# KiCad board Battman.kicad_pcb (continued)
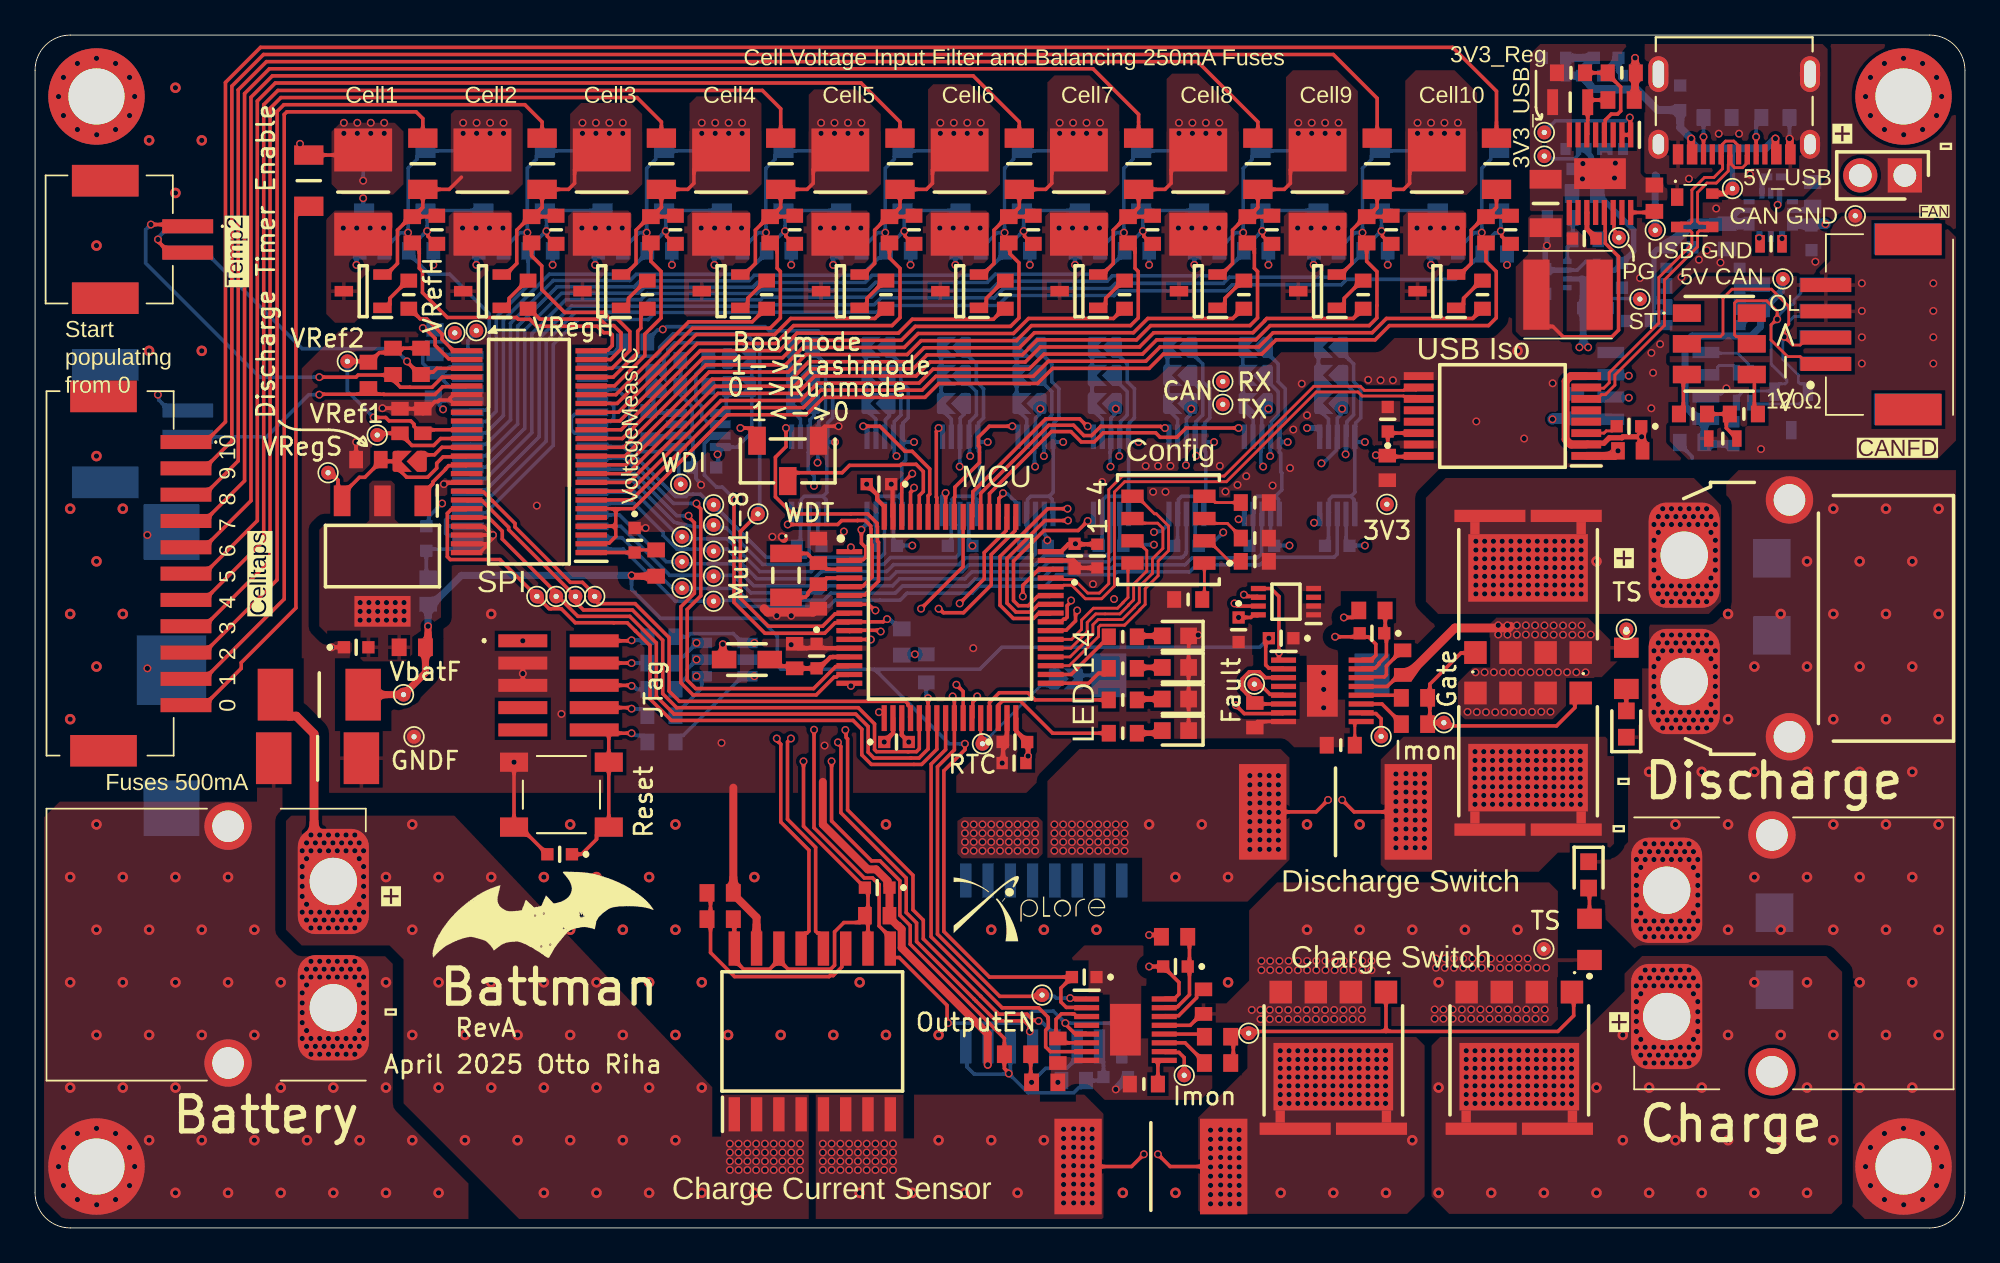
[diagram p0: board, top side]
## Footprints (pads in the part's own frame, mm; a bottom-side part is the same pattern mirrored in y, then rotated)
2184LPSTJ
  rect 0.76x1.27 smd: A1(-1.905,-2.05) A2(-0.635,-2.05) A3(0.635,-2.05) A4(1.905,-2.05) B1(1.905,2.05) B2(0.635,2.05) B3(-0.635,2.05) B4(-1.905,2.05)
3000TR
  rect 3.18x3.18 smd: 1(-7.87,0.724) 2(7.87,0.724)
  rect 3.96x3.96 smd: 3(0,0.724)
5025850270
  rect 0.8x2.9 smd: 1(-0.75,3.325) 2(0.75,3.325)
  rect 1.8x3.8 smd: M1(-3.35,-1.375) M2(3.35,-1.375)
5025850470
  rect 0.8x2.9 smd: 1(-2.25,3.625) 2(-0.75,3.625) 3(0.75,3.625) 4(2.25,3.625)
  rect 1.8x3.8 smd: MP1(-4.85,-1.075) MP2(4.85,-1.075)
5025851170
  rect 0.8x2.9 smd: 1(-6.75,3.1) 2(-5.25,3.1) 3(-3.75,3.1) 4(-2.25,3.1) 5(-0.75,3.1) 6(0.75,3.1) 7(2.25,3.1) 8(3.75,3.1) 9(5.25,3.1) 10(6.75,3.1) 11(8.25,3.1)
  rect 1.8x3.8 smd: MP1(-9.35,-1.6) MP2(10.85,-1.6)
ACE1V2012121R
  rect 0.9x0.4 smd: 1(-0.85,0.4) 2(-0.85,-0.4) 3(0.85,-0.4) 4(0.85,0.4)
AMPHENOL_10171746-00021LF
  rect 0.6x1.15 smd: A1_B12(-3.2,4.575) A4_B9(-2.4,4.575) B1_A12(3.2,4.575) B4_A9(2.4,4.575)
  rect 0.3x1.15 smd: A5(-1.25,4.575) A6(-0.25,4.575) A7(0.25,4.575) A8(1.25,4.575) B5(1.75,4.575) B6(0.75,4.575) B7(-0.75,4.575) B8(-1.75,4.575)
  oval 1.15x1.65 hole 0.65x1.15: SH1(-4.32,4) SH2(4.32,4)
  oval 1.15x2.05 hole 0.65x1.55: SH3(-4.32,0) SH4(4.32,0)
CAPC1608X80N
  rect 0.54x0.94 smd: 1(-0.8,0) 2(0.8,0)
CAPC1608X90N
  rect 0.78x0.99 smd: 1(-0.7,0) 2(0.7,0)
CAPC1608X105N
  rect 0.83x1.07 smd: 1(-0.72,0) 2(0.72,0)
CAPC2012X145N
  rect 0.62x1.47 smd: 1(-1,0) 2(1,0)
CAPC3216X180N
  rect 1.07x1.82 smd: 1(-1.38,0) 2(1.38,0)
CAS120TA
  rect 1x1.6 smd: 1(-1.75,-1.15) 2(0,1.15) 3(1.75,-1.15)
CAS220TA
  rect 1x1.6 smd: 1(-1.75,-1.85) 2(0,-1.85) 3(1.75,-1.85) 4(-1.75,1.85) 5(0,1.85) 6(1.75,1.85)
CONV_R05C1TF05S-R
  custom 0x0 smd: (-1.35,1.9) (-0.15,-2.425) (-0.15,1.75) (1.05,-2.425) (1.05,1.75)
  rect 0.254x0.254 smd: 1(-1.637,2.087)
  rect 0.3x0.3 smd: 2_3(-0.6,2.087) 4_5(0.6,2.087) 8_9(0.6,-2.087) 10_11(-0.6,-2.087)
  rect 0.575x0.675 smd: 6(1.637,2.087) 7(1.637,-2.087) 12(-1.637,-2.087)
CPT162580SMTTR
  rect 2.5x2 smd: 1(0,-7.5) 2(0,7.5)
DFE18SAN1R0ME0L
  rect 0.55x1 smd: 1(-0.625,0) 2(0.625,0)
DIOM5436X244N
  rect 2.2x2.15 smd: 1(-2.2,0) 2(2.2,0)
ERA3AEB101V
  rect 0.65x0.9 smd: 1(-0.725,0) 2(0.725,0)
ERJP06D1000V
  rect 1.15x1.4 smd: 1(-1.175,0) 2(1.175,0)
FC135327680KAAG0
  rect 1x1.8 smd: 1(-1.25,0) 2(1.25,0)
FP-742792097-MFG
  rect 1.4x1 smd: 1(-1.3,0) 2(1.3,0)
FTSH10501LDVK
  rect 0.74x2.79 smd: 1(-2.54,0) 2(-2.54,4.07) 3(-1.27,0) 4(-1.27,4.07) 5(0,0) 6(0,4.07) 7(1.27,0) 8(1.27,4.07) 9(2.54,0) 10(2.54,4.07)
FUSC3215X66N
  rect 1.1x1.67 smd: 1(-1.46,0) 2(1.46,0)
FUSC6127X294N
  rect 2.02x2.95 smd: 1(-2.5,0) 2(2.5,0)
GRM18x
  rect 0.65x0.7 smd: 1(-0.675,0) 2(0.675,0)
HDRV2W110P0X254_1X2_508X254X854P
  rect 1.95x1.95 hole 1.3: 1(0,0)
  round 1.95 hole 1.3: 2(2.54,0)
LEDC1608X80N
  rect 0.95x0.95 smd: 1(-0.75,0) 2(0.75,0)
MAJx16
  rect 0.7x0.7 smd: 1(-0.7,0) 2(0.7,0)
MAX77827BEFDT
  rect 0.625x0.3 smd: 1(-1.238,0.5) 2(-1.238,0) 3(-1.238,-0.5)
  rect 0.3x0.625 smd: 4(-0.75,-1.238) 5(-0.25,-1.238) 13(-0.25,1.237) 14(-0.75,1.237)
  rect 0.8x0.625 smd: 6(0.5,-1.238) 11(0.5,1.237)
  rect 0.625x0.35 smd: 8(1.237,-0.65) 9(1.237,0) 10(1.237,0.65)
MJTP1140A
  rect 1.1x1.6 smd: 1(-1.85,-2.7) 1(1.85,-2.7) 2(-1.85,2.7) 2(1.85,2.7)
PRTR5V0U2X
  rect 1x0.7 smd: 1(-0.75,-1)
  rect 0.6x0.7 smd: 2(0.95,-1) 3(0.95,1) 4(-0.95,1)
QFP50P1200X1200X160-64N
  rect 1.475x0.3 smd: 1(-5.738,3.75) 2(-5.738,3.25) 3(-5.738,2.75) 4(-5.738,2.25) 5(-5.738,1.75) 6(-5.738,1.25) 7(-5.738,0.75) 8(-5.738,0.25) 9(-5.738,-0.25) 10(-5.738,-0.75) 11(-5.738,-1.25) 12(-5.738,-1.75) 13(-5.738,-2.25) 14(-5.738,-2.75) 15(-5.738,-3.25) 16(-5.738,-3.75) 33(5.738,-3.75) 34(5.738,-3.25) 35(5.738,-2.75) 36(5.738,-2.25) 37(5.738,-1.75) 38(5.738,-1.25) 39(5.738,-0.75) 40(5.738,-0.25) 41(5.738,0.25) 42(5.738,0.75) 43(5.738,1.25) 44(5.738,1.75) 45(5.738,2.25) 46(5.738,2.75) 47(5.738,3.25) 48(5.738,3.75)
  rect 0.3x1.475 smd: 17(-3.75,-5.738) 18(-3.25,-5.738) 19(-2.75,-5.738) 20(-2.25,-5.738) 21(-1.75,-5.738) 22(-1.25,-5.738) 23(-0.75,-5.738) 24(-0.25,-5.738) 25(0.25,-5.738) 26(0.75,-5.738) 27(1.25,-5.738) 28(1.75,-5.738) 29(2.25,-5.738) 30(2.75,-5.738) 31(3.25,-5.738) 32(3.75,-5.738) 49(3.75,5.738) 50(3.25,5.738) 51(2.75,5.738) 52(2.25,5.738) 53(1.75,5.738) 54(1.25,5.738) 55(0.75,5.738) 56(0.25,5.738) 57(-0.25,5.738) 58(-0.75,5.738) 59(-1.25,5.738) 60(-1.75,5.738) 61(-2.25,5.738) 62(-2.75,5.738) 63(-3.25,5.738) 64(-3.75,5.738)
RESC0603X26N
  rect 0.625x0.4 smd: 1(-0.412,0) 2(0.412,0)
RESC1608X50N
  rect 0.85x1 smd: 1(-0.75,0) 2(0.75,0)
RESC1608X55N
  rect 0.8x0.95 smd: 1(-0.8,0) 2(0.8,0)
RESC6331X80N
  rect 2.45x3.3 smd: 1(-2.4,0) 2(2.4,0)
RESC10052X63N
  rect 2.7x5.45 smd: 1(-4.15,0) 2(4.15,0)
RESC10052X63N#2
  rect 2.7x5.45 smd: 1(-4.15,0) 2(4.15,0)
SOD3716X135N
  rect 1.15x0.8 smd: 1(-1.75,0) 2(1.75,0)
SOIC127P600X175-8N
  rect 1.525x0.65 smd: 1(-2.712,1.905) 2(-2.712,0.635) 3(-2.712,-0.635) 4(-2.712,-1.905) 5(2.712,-1.905) 6(2.712,-0.635) 7(2.712,0.635) 8(2.712,1.905)
SOIC127P1030X265-16N
  rect 1.95x0.65 smd: 1(-4.725,4.445) 2(-4.725,3.175) 3(-4.725,1.905) 4(-4.725,0.635) 5(-4.725,-0.635) 6(-4.725,-1.905) 7(-4.725,-3.175) 8(-4.725,-4.445) 9(4.725,-4.445) 10(4.725,-3.175) 11(4.725,-1.905) 12(4.725,-0.635) 13(4.725,0.635) 14(4.725,1.905) 15(4.725,3.175) 16(4.725,4.445)
SOLDERJUMPER
  custom 0x0 smd: (-0.6,0.675) (-0.6,-0.475)
  rrect 1.2x0.5 smd: 1(0,-0.775) 2(0,0.675)
SOP50P310X90-8N
  rect 0.85x0.3 smd: 1(-1.575,0.75) 2(-1.575,0.25) 3(-1.575,-0.25) 4(-1.575,-0.75) 5(1.575,-0.75) 6(1.575,-0.25) 7(1.575,0.25) 8(1.575,0.75)
SOP50P490X110-10N
  rect 1.4x0.3 smd: 1(-2.2,1) 2(-2.2,0.5) 3(-2.2,0) 4(-2.2,-0.5) 5(-2.2,-1) 6(2.2,-1) 7(2.2,-0.5) 8(2.2,0) 9(2.2,0.5) 10(2.2,1)
SOP50P490X110-17N
  rect 1.425x0.3 smd: 1(-2.212,1.75) 2(-2.212,1.25) 3(-2.212,0.75) 4(-2.212,0.25) 5(-2.212,-0.25) 6(-2.212,-0.75) 7(-2.212,-1.25) 8(-2.212,-1.75) 9(2.212,-1.75) 10(2.212,-1.25) 11(2.212,-0.75) 12(2.212,-0.25) 13(2.212,0.25) 14(2.212,0.75) 15(2.212,1.25) 16(2.212,1.75)
  rect 1.753x2.947 smd: 17(0,0)
SOP50P780X200-48N
  rect 1.8x0.3 smd: 1(-3.55,5.75) 2(-3.55,5.25) 3(-3.55,4.75) 4(-3.55,4.25) 5(-3.55,3.75) 6(-3.55,3.25) 7(-3.55,2.75) 8(-3.55,2.25) 9(-3.55,1.75) 10(-3.55,1.25) 11(-3.55,0.75) 12(-3.55,0.25) 13(-3.55,-0.25) 14(-3.55,-0.75) 15(-3.55,-1.25) 16(-3.55,-1.75) 17(-3.55,-2.25) 18(-3.55,-2.75) 19(-3.55,-3.25) 20(-3.55,-3.75) 21(-3.55,-4.25) 22(-3.55,-4.75) 23(-3.55,-5.25) 24(-3.55,-5.75) 25(3.55,-5.75) 26(3.55,-5.25) 27(3.55,-4.75) 28(3.55,-4.25) 29(3.55,-3.75) 30(3.55,-3.25) 31(3.55,-2.75) 32(3.55,-2.25) 33(3.55,-1.75) 34(3.55,-1.25) 35(3.55,-0.75) 36(3.55,-0.25) 37(3.55,0.25) 38(3.55,0.75) 39(3.55,1.25) 40(3.55,1.75) 41(3.55,2.25) 42(3.55,2.75) 43(3.55,3.25) 44(3.55,3.75) 45(3.55,4.25) 46(3.55,4.75) 47(3.55,5.25) 48(3.55,5.75)
SOP65P780X200-36N
  rect 1.8x0.45 smd: 1(-3.55,5.525) 2(-3.55,4.875) 3(-3.55,4.225) 4(-3.55,3.575) 5(-3.55,2.925) 6(-3.55,2.275) 7(-3.55,1.625) 8(-3.55,0.975) 9(-3.55,0.325) 10(-3.55,-0.325) 11(-3.55,-0.975) 12(-3.55,-1.625) 13(-3.55,-2.275) 14(-3.55,-2.925) 15(-3.55,-3.575) 16(-3.55,-4.225) 17(-3.55,-4.875) 18(-3.55,-5.525) 19(3.55,-5.525) 20(3.55,-4.875) 21(3.55,-4.225) 22(3.55,-3.575) 23(3.55,-2.925) 24(3.55,-2.275) 25(3.55,-1.625) 26(3.55,-0.975) 27(3.55,-0.325) 28(3.55,0.325) 29(3.55,0.975) 30(3.55,1.625) 31(3.55,2.275) 32(3.55,2.925) 33(3.55,3.575) 34(3.55,4.225) 35(3.55,4.875) 36(3.55,5.525)
SOP65P1030X260-16N
  rect 1.7x0.45 smd: 1(-4.775,2.275) 2(-4.775,1.625) 3(-4.775,0.975) 4(-4.775,0.325) 5(-4.775,-0.325) 6(-4.775,-0.975) 7(-4.775,-1.625) 8(-4.775,-2.275) 9(4.775,-2.275) 10(4.775,-1.625) 11(4.775,-0.975) 12(4.775,-0.325) 13(4.775,0.325) 14(4.775,0.975) 15(4.775,1.625) 16(4.775,2.275)
SOT65P280X145-8N
  rect 1.2x0.45 smd: 1(-1.25,0.975) 2(-1.25,0.325) 3(-1.25,-0.325) 4(-1.25,-0.975) 5(1.25,-0.975) 6(1.25,-0.325) 7(1.25,0.325) 8(1.25,0.975)
SOT95P230X110-3N
  rect 1.05x0.6 smd: 1(-1.1,0.95) 2(-1.1,-0.95) 3(1.1,0)
SOT95P280X145-6N
  rect 1.15x0.6 smd: 1(-1.3,0.95) 2(-1.3,0) 3(-1.3,-0.95) 4(1.3,-0.95) 5(1.3,0) 6(1.3,0.95)
SOT230P700X180-4N
  rect 1.75x0.95 smd: 1(-3.15,2.3) 2(-3.15,0) 3(-3.15,-2.3)
  rect 1.75x3.2 smd: 2(3.15,0)
SOTFL50P160X60-8N
  rect 0.475x0.3 smd: 1(-0.838,0.75) 2(-0.838,0.25) 3(-0.838,-0.25) 4(-0.838,-0.75) 5(0.838,-0.75) 6(0.838,-0.25) 7(0.838,0.25) 8(0.838,0.75)
SQJQ160ET1_GE3
  rect 1.28x1.3 smd: 1(-3,-3.895) 2(-1,-3.895) 2(1,-3.895) 2(3,-3.895)
  rect 0.534x0.69 smd: 3(-3.028,3.2) 3(3.028,3.2)
  rect 4.05x0.7 smd: 3(-2.175,3.895) 3(2.175,3.895)
  rect 6.82x3.85 smd: 3(0,0.93)
TESTPOINT
  round 0.8 hole 0.3: 1(0,0)
Testpoint
  round 0.8 hole 0.3: 1(0,0)
VISM3
  round 5.5 hole 3.2: 1(0,0)
VLS5045EX330M
  rect 1.5x4 smd: 1(-1.8,0) 2(1.8,0)
XT60PWF
  rrect 6x4.05 hole 2.7: 1(0,0) 2(7.2,0)
  round 2.7 hole 1.8: 3(-3.15,6) 4(10.35,6)
XT60PWM
  rrect 6x4.05 hole 2.7: 1(-3.6,0) 2(3.6,0)
  round 2.7 hole 1.8: M1(-6.75,6) M2(6.75,6)
XT60PWM#2
  rrect 6x4.05 hole 2.7: 1(-3.6,0) 2(3.6,0)
  round 2.7 hole 1.8: M1(-6.75,6) M2(6.75,6)

## Nets
3.3V: C405.2 C410.1 C411.2 C420.1 C702.2 C703.2 C704.2 C705.2 C706.2 C707.2 C712.2 C800A.2 C800B.2 C804A.2 C804B.2 C900.1 FB700.2 IC400.3 IC400.6 IC402.2 IC402.7 IC403.14 IC403.16 IC700.19 IC700.32 IC700.48 IC700.64 IC701.1 IC800A.10 IC800A.14 IC800A.16 IC800B.10 IC800B.14 IC800B.16 IC900.8 J11.2 J700.1 R711.1 R801A.2 R801B.2 R900.1 S702.3 TP401.1
3.3VUSB: C407.2 C413.1 C414.2 IC402.6 PS400.8_9 TP403.1
3V3_Reg: C403.2 C406.2 IC401.1 IC401.2 IC401.13 IC402.3 IC402.5 L400.2 R406.2 TP402.1
3V3_Sel: IC402.4 R406.1 R407.2
3V3A_Stm: C700.2 C701.2 FB700.1 IC700.13
5V: C418.2 C709.2 C710.2 IC701.8 PS401.7 PS401.8_9 TP407.1
5V_USB: C400.2 C401.1 C408.2 C412.1 D401.4 IC403.1 J10.A4_B9 J10.B4_A9 PS400.4_5 PS400.6 TP400.1
VBat_RTC: BT700.1 IC700.1
VBatt_LTC: C304.2 IC300.1 R303.2
A0_1: IC500A.1 IC700.40
A0_2: IC500B.1 IC700.52
A0_3: IC500C.1 IC700.53
A0_4: IC500D.1 IC700.54
A0_5: IC500E.1 IC700.56
A0_6: IC500F.1 IC700.58
A0_7: IC500G.1 IC700.59
A0_8: IC500H.1 IC700.6
A1_1: IC500A.10 IC700.39
A1_2: IC500B.10 IC700.41
A1_3: IC500C.10 IC700.42
A1_4: IC500D.10 IC700.43
A1_5: IC500E.10 IC700.51
A1_6: IC500F.10 IC700.57
A1_7: IC500G.10 IC700.2
A1_8: IC500H.10 IC700.5
Bat_GND: D800A.2 D800B.2 F2.1 J1.1 J1.M1 J1.M2 J2.1 J2.M1 J2.M2 J4.2 J4.3 J4.4 LED800A.1 LED800B.1 X2.1 X4.1
Bat_GND_Fused: BT700.3 C303.1 C403.1 C404.1 C405.1 C406.1 C407.1 C410.2 C411.1 C413.2 C414.1 C415.1 C416.2 C419.1 C420.2 C421.1 C600.1 C601.2 C602.2 C603.2 C604.1 C700.1 C701.1 C702.1 C703.1 C704.1 C705.1 C706.1 C707.1 C708.2 C712.1 C714.2 C715.2 C800A.1 C800B.1 C801A.1 C801B.1 C803A.1 C803B.1 C804A.1 C804B.1 C900.2 F2.2 IC301.2 IC400.4 IC400.9 IC400.14 IC401.8 IC401.17 IC402.1 IC403.9 IC403.15 IC600.30 IC600.31 IC600.40 IC600.45 IC600.46 IC600.47 IC600.48 IC700.12 IC700.18 IC700.31 IC700.47 IC700.63 IC701.4 IC702.2 IC800A.15 IC800B.15 IC801A.8 IC801A.17 IC801B.8 IC801B.17 IC900.1 IC900.2 IC900.4 J3.2 J5.2 J6.2 J11.1 J700.3 J700.5 LED700.1 LED701.1 LED702.1 LED703.1 LS700.2 PS400.7 PS400.10_11 PS400.12 PS401.1 PS401.2_3 R300.1 R301.1 R302.1 R400.2 R403.2 R405.1 R407.1 R704.1 R705.1 R706.1 R707.1 R802A.1 R802B.1 R807A.1 R807B.1 S700.2 S702.1 TP2.1
Boot: IC700.60 S702.2
CAN_GND: C418.1 C709.1 C710.1 C713.1 D700.3 IC701.7 J8.3 J8.4 J9.3 J9.4 PS401.10_11 PS401.12 TP408.1
CAN_N: D700.2 FL700.3 J8.2 J9.2 S703.2
CAN_P: D700.1 FL700.4 J8.1 J9.1 S703.5
CAN_Tr_N: FL700.2 IC701.5
CAN_Tr_P: FL700.1 IC701.6
CANFD_RX: IC700.61 IC701.3 TP706.1
CANFD_TX: IC700.62 IC701.2 TP705.1
Cell0: C200A.1 C200B.1 C200C.1 C200D.1 C200E.1 C200F.1 C200G.1 C200H.1 C200I.1 C200J.1 C201A.1 C201B.1 C201C.1 C201D.1 C201E.1 C201F.1 C201G.1 C201H.1 C201I.1 C201J.1 C300.2 C301.1 C302.2 C304.1 C500A.1 C500B.1 C500C.1 C500D.1 C500E.1 C500F.1 C500G.1 C500H.1 F100.2 IC300.14 IC500A.3 IC500A.7 IC500B.3 IC500B.7 IC500C.3 IC500C.7 IC500D.3 IC500D.7 IC500E.3 IC500E.7 IC500F.3 IC500F.7 IC500G.3 IC500G.7 IC500H.3 IC500H.7 IC600.26 JS502A.1 JS502B.1 JS502C.1 JS502D.1 JS502E.1 JS502F.1 JS502G.1 JS502H.1 R203A.1 Z200A.2 Z201A.2
Cell1: F200A.1 J7.10
Cell2: F200B.1 J7.9
Cell3: F200C.1 J7.8
Cell4: F200D.1 J7.7
Cell5: F200E.1 J7.6
Cell6: F200F.1 J7.5
Cell7: F200G.1 J7.4
Cell8: F200H.1 J7.3
Cell9: F200I.1 J7.2
Cell10: F200J.1 J7.1
Current1: IC700.10 IC800A.12
Current2: IC700.16 IC800B.12
CurrRef1: IC700.11 IC800A.13
CurrRef2: IC700.17 IC800B.13
Enable1: IC700.24 IC801A.7
Enable2: IC700.26 IC801B.7
GateA: Q800A.1 Q801A.1 R803A.2 R804A.2 TP801A.1
GateB: Q800B.1 Q801B.1 R803B.2 R804B.2 TP801B.1
JDTO: IC700.55 IC702.5 R714.2
JTCK: IC700.49 IC702.6 R713.2
JTDI: IC700.50 IC702.4 R715.2
JTMS: IC700.46 IC702.1 R712.2
LED_A: IC700.29 R702.2
LED_G: IC700.34 R700.2
LED_R: IC700.30 R703.2
LED_Y: IC700.33 R701.2
LTC_H_C1: C200A.2 IC300.13 R200A.2 Z200A.1 Z200B.2
LTC_H_C2: C200B.2 IC300.12 R200B.2 Z200B.1 Z200C.2
LTC_H_C3: C200C.2 IC300.11 R200C.2 Z200C.1 Z200D.2
LTC_H_C4: C200D.2 IC300.10 R200D.2 Z200D.1 Z200E.2
LTC_H_C5: C200E.2 IC300.9 R200E.2 Z200E.1 Z200F.2
LTC_H_C6: C200F.2 IC300.8 R200F.2 Z200F.1 Z200G.2
LTC_H_C7: C200G.2 IC300.7 R200G.2 Z200G.1 Z200H.2
LTC_H_C8: C200H.2 IC300.6 R200H.2 Z200H.1 Z200I.2
LTC_H_C9: C200I.2 IC300.5 R200I.2 Z200I.1 Z200J.2
LTC_H_C10: C200J.2 IC300.2 IC300.3 IC300.4 R200J.2 Z200J.1
LTC_S_C1: C201A.2 IC600.24 R201A.2 Z201A.1 Z201B.2
LTC_S_C2: C201B.2 IC600.22 R201B.2 Z201B.1 Z201C.2
LTC_S_C3: C201C.2 IC600.20 R201C.2 Z201C.1 Z201D.2
LTC_S_C4: C201D.2 IC600.18 R201D.2 Z201D.1 Z201E.2
LTC_S_C5: C201E.2 IC600.16 R201E.2 Z201E.1 Z201F.2
LTC_S_C6: C201F.2 IC600.14 R201F.2 Z201F.1 Z201G.2
LTC_S_C7: C201G.2 IC600.12 R201G.2 Z201G.1 Z201H.2
LTC_S_C8: C201H.2 IC600.10 R201H.2 Z201H.1 Z201I.2
LTC_S_C9: C201I.2 IC600.8 R201I.2 Z201I.1 Z201J.2
LTC_S_C10: C201J.2 IC600.2 IC600.4 IC600.6 R201J.2 Z201J.1
LTC_S_S1: IC600.25 R202A.2
LTC_S_S2: IC600.23 R202B.2
LTC_S_S3: IC600.21 R202C.2
LTC_S_S4: IC600.19 R202D.2
LTC_S_S5: IC600.17 R202E.2
LTC_S_S6: IC600.15 R202F.2
LTC_S_S7: IC600.13 R202G.2
LTC_S_S8: IC600.11 R202H.2
LTC_S_S9: IC600.9 R202I.2
LTC_S_S10: IC600.7 R202J.2
Mult1: IC300.36 IC500A.8 TP309.1
Mult2: IC300.35 IC500B.8 TP308.1
Mult3: IC300.34 IC500C.8 TP307.1
Mult4: IC300.33 IC500D.8 TP306.1
Mult5: IC300.32 IC500E.8 TP305.1
Mult6: IC300.31 IC500F.8 TP304.1
Mult7: IC300.30 IC500G.8 TP303.1
Mult8: IC300.27 IC500H.8 TP302.1
NetC301_2: C301.2 IC300.19
NetC402_1: C402.1 IC401.11
NetC402_2: C402.2 IC401.9 L400.1
NetC404_2: C404.2 IC401.6 R404.1
NetC409_2: C409.2 IC403.3
NetC415_2: C415.2 C416.1 C421.2 IC400.11 IC400.13 PS401.4_5 PS401.6
NetC419_2: C419.2 IC400.5
NetC602_1: C602.1 IC600.35 TP601.1
NetC603_1: C603.1 IC600.37 JS600.2 Q600.3 TP600.1
NetC713_2: C713.2 R708.2 R709.1
NetC801A_2: C801A.2 IC801A.3 IC801A.6
NetC801B_2: C801B.2 IC801B.3 IC801B.6
NetC802A_1: C802A.1 IC801A.14
NetC802B_1: C802B.1 IC801B.14
NetC805A_1: C805A.1 IC801A.15 R806A.1
NetC805B_1: C805B.1 IC801B.15 R806B.1
NetF100_1: F100.1 J7.11
NetF200A_2: F200A.2 Q200A.2 R200A.1 R201A.1 R203B.1
NetF200B_2: F200B.2 Q200B.2 R200B.1 R201B.1 R203C.1
NetF200C_2: F200C.2 Q200C.2 R200C.1 R201C.1 R203D.1
NetF200D_2: F200D.2 Q200D.2 R200D.1 R201D.1 R203E.1
NetF200E_2: F200E.2 Q200E.2 R200E.1 R201E.1 R203F.1
NetF200F_2: F200F.2 Q200F.2 R200F.1 R201F.1 R203G.1
NetF200G_2: F200G.2 Q200G.2 R200G.1 R201G.1 R203H.1
NetF200H_2: F200H.2 Q200H.2 R200H.1 R201H.1 R203I.1
NetF200I_2: F200I.2 Q200I.2 R200I.1 R201I.1 R203J.1
NetF200J_2: F200J.2 Q200J.2 R200J.1 R201J.1
NetIC300_20: IC300.20 IC700.8 TP310.1
NetIC300_23: IC300.23 IC300.25
NetIC300_24: IC300.24 IC300.26
NetIC300_28: IC300.28 IC700.14
NetIC300_29: IC300.29 IC700.15
NetIC301_4: IC301.4 JS300.1 R300.2
NetIC301_5: IC301.5 JS301.1 R301.2
NetIC301_6: IC301.6 JS302.1 R302.2
NetIC400_1: IC400.1 R400.1
NetIC400_8: IC400.8 L401.1
NetIC400_10: IC400.10 L401.2
NetIC401_4: IC401.4 R402.1 R405.2
NetIC401_14: IC401.14 TP405.1
NetIC401_16: IC401.16 R403.1
NetIC402_8: IC402.8 TP404.1
NetIC500A_2: IC500A.2 JS500A.2 JS501A.2 JS502A.2
NetIC500B_2: IC500B.2 JS500B.2 JS501B.2 JS502B.2
NetIC500C_2: IC500C.2 JS500C.2 JS501C.2 JS502C.2
NetIC500D_2: IC500D.2 JS500D.2 JS501D.2 JS502D.2
NetIC500E_2: IC500E.2 JS500E.2 JS501E.2 JS502E.2
NetIC500F_2: IC500F.2 JS500F.2 JS501F.2 JS502F.2
NetIC500G_2: IC500G.2 JS500G.2 JS501G.2 JS502G.2
NetIC500H_2: IC500H.2 JS500H.2 JS501H.2 JS502H.2
NetIC600_36: IC600.36 JS600.1
NetIC600_38: IC600.38 Q600.1
NetIC600_41: IC600.41 IC700.20 TP606.1
NetIC600_42: IC600.42 IC700.21 TP605.1
NetIC600_43: IC600.43 IC700.23 TP604.1
NetIC600_44: IC600.44 IC700.22 R711.2 TP603.1
NetIC700_27: IC700.27 IC900.7
NetIC700_28: IC700.28 JS700.1 TP700.1
NetIC700_35: IC700.35 S701.B1
NetIC700_36: IC700.36 S701.B2
NetIC700_37: IC700.37 S701.B3
NetIC700_38: IC700.38 S701.B4
NetIC801A_9: IC801A.9 R807A.2
NetIC801A_10: IC801A.10 TP802A.1
NetIC801A_11: IC801A.11 R804A.1
NetIC801A_12: IC801A.12 R803A.1
NetIC801B_9: IC801B.9 R807B.2
NetIC801B_10: IC801B.10 TP802B.1
NetIC801B_11: IC801B.11 R804B.1
NetIC801B_12: IC801B.12 R803B.1
NetJ10_A5: J10.A5 R2.2
NetJ10_B5: J10.B5 R1.2
NetJ700_2: J700.2 R712.1
NetJ700_4: J700.4 R713.1
NetJ700_6: J700.6 R714.1
NetJ700_8: J700.8 R715.1
NetJS700_2: JS700.2 LS700.1
NetLED700_2: LED700.2 R700.1
NetLED701_2: LED701.2 R701.1
NetLED702_2: LED702.2 R702.1
NetLED703_2: LED703.2 R703.1
NetLED800A_2: LED800A.2 R800A.2
NetLED800B_2: LED800B.2 R800B.2
NetQ200A_1: Q200A.1 R202A.1
NetQ200A_3: Q200A.3 R203A.2
NetQ200B_1: Q200B.1 R202B.1
NetQ200B_3: Q200B.3 R203B.2
NetQ200C_1: Q200C.1 R202C.1
NetQ200C_3: Q200C.3 R203C.2
NetQ200D_1: Q200D.1 R202D.1
NetQ200D_3: Q200D.3 R203D.2
NetQ200E_1: Q200E.1 R202E.1
NetQ200E_3: Q200E.3 R203E.2
NetQ200F_1: Q200F.1 R202F.1
NetQ200F_3: Q200F.3 R203F.2
NetQ200G_1: Q200G.1 R202G.1
NetQ200G_3: Q200G.3 R203G.2
NetQ200H_1: Q200H.1 R202H.1
NetQ200H_3: Q200H.3 R203H.2
NetQ200I_1: Q200I.1 R202I.1
NetQ200I_3: Q200I.3 R203I.2
NetQ200J_1: Q200J.1 R202J.1
NetQ200J_3: Q200J.3 R203J.2
NetR704_2: R704.2 S701.A1
NetR705_2: R705.2 S701.A2
NetR706_2: R706.2 S701.A3
NetR707_2: R707.2 S701.A4
NetR708_1: R708.1 S703.6
NetR709_2: R709.2 S703.3
NRST: IC700.7 IC702.3 R716.2
Out1: D800A.1 J2.2 Q801A.3
Out2: D800B.1 J4.1 Q801B.3
OutputEnable: IC700.25 IC801A.1 IC801B.1 IC900.5 TP900.1
RST: C708.1 J700.10 R716.1 S700.1
shunt+A: C805A.2 IC800A.5 IC800A.6 IC800A.7 IC800A.8 IC801A.16 R805A.1
shunt+B: C805B.2 IC800B.5 IC800B.6 IC800B.7 IC800B.8 IC801B.16 R805B.1
shunt-A: Q800A.3 R805A.2 R806A.2
shunt-B: Q800B.3 R805B.2 R806B.2
Temp1: IC600.27 J3.1 R603.2
Temp2: IC600.28 J5.1 R602.2
Temp3: IC600.29 J6.1 R601.2
TSA: C802A.2 IC801A.13 Q800A.2 Q801A.2 R800A.1 TP800A.1
TSB: C802B.2 IC801B.13 Q800B.2 Q801B.2 R800B.1 TP800B.1
USB_D_N: D401.3 IC403.6 J10.A7 J10.B7
USB_D_P: D401.2 IC403.7 J10.A6 J10.B6
USB_GND: C400.1 C401.2 C408.1 C409.1 C412.2 D401.1 IC403.2 IC403.8 J10.A1_B12 J10.B1_A12 J10.SH1 J10.SH2 J10.SH3 J10.SH4 PS400.1 PS400.2_3 R1.1 R2.1 TP406.1
USB_ISO_N: IC403.11 IC700.44
USB_ISO_P: IC403.10 IC700.45
V_Bat: F1.1 IC800A.1 IC800A.2 IC800A.3 IC800A.4 IC800B.1 IC800B.2 IC800B.3 IC800B.4 J1.2
V_Bat_Fused: C803A.2 C803B.2 F1.2 IC801A.2 IC801B.2 R303.1 R402.2 R404.2 R600.1 R604.1 TP1.1
V_BattLDO: C600.2 Q600.2 R600.2
V_BattLTC: C604.2 IC600.1 R604.2
VOCA: IC800A.11 R801A.1 R802A.2
VOCB: IC800B.11 R801B.1 R802B.2
Vref2: C601.1 IC600.34 R601.1 R602.1 R603.1 TP602.1
VrefH: C300.1 IC300.15 IC300.16 IC300.17 IC500A.4 IC500B.4 IC500C.4 IC500D.4 IC500E.4 IC500F.4 IC500G.4 IC500H.4 JS501A.1 JS501B.1 JS501C.1 JS501D.1 JS501E.1 JS501F.1 JS501G.1 JS501H.1 TP301.1
VregA: C302.1 C303.2 C500A.2 C500B.2 C500C.2 C500D.2 C500E.2 C500F.2 C500G.2 C500H.2 IC300.18 IC301.8 IC500A.5 IC500A.6 IC500A.9 IC500B.5 IC500B.6 IC500B.9 IC500C.5 IC500C.6 IC500C.9 IC500D.5 IC500D.6 IC500D.9 IC500E.5 IC500E.6 IC500E.9 IC500F.5 IC500F.6 IC500F.9 IC500G.5 IC500G.6 IC500G.9 IC500H.5 IC500H.6 IC500H.9 JS300.2 JS301.2 JS302.2 JS500A.1 JS500B.1 JS500C.1 JS500D.1 JS500E.1 JS500F.1 JS500G.1 JS500H.1 TP300.1
WDI: IC300.22 IC301.1 TP311.1
X1: C714.1 IC700.3 Y700.1
X2: C715.1 IC700.4 Y700.2
~{Fault}: IC301.7 IC700.9 IC800A.9 IC800B.9 IC801A.5 IC801B.5 IC900.6 R900.2 TP312.1

Pads without a net: BT700 2; IC300 21; IC301 3; IC400 2; IC401 3 5 7 10 12 15; IC403 4 5 12 13; IC600 3 5 32 33 39; IC801A 4; IC801B 4; IC900 3; J3 M1 M2; J5 M1 M2; J6 M1 M2; J7 MP1 MP2; J8 MP1 MP2; J9 MP1 MP2; J10 A8 B8; J700 7 9; S703 1 4; X1 1; X3 1

## Via types
v1: diameter 0.45, hole 0.3, Top Layer to Bottom Layer, 1593 vias
v2: diameter 0.6, hole 0.3, Top Layer to Bottom Layer, 204 vias

## Routing (per net, layer and track width the routed paths; a pad name or vN(x,y) marks a point on that pad's centre or on a via; arc(x,y) is an arc through that point)
3.3V: length 92.9
  Top Layer w0.203: C804A.2 47.3,17.69 47.01,17.41 46.1,17.41 45.57,16.88 45.57,14.97 45.34,14.75 42.92,14.75 42.4,15.27 ; v1(45.4,26.6) 45.4,23.2 47.68,20.92 48.16,20.92 49.29,19.79 49.29,17.83 49.88,17.24 49.88,16.17 55.25,10.8 R801B.2 55.25,9.1 55.5,8.85 v1(55.5,8.8) ; 42.4,15.27 IC800A.14 ; 42.4,15.27 41.87,14.75 40.38,14.75 39.86,15.27 IC800A.16 39.86,17.54 R801A.2 ; 41.15,45.35 40.9,45.6 v1(40.2,45.6) ; 78.83,43.97 77.13,43.97 C411.2 77.1,44.05 C410.1 77.19,45.31 IC403.14 ; 68.4,34.8 v1(68.6,34.8) 69.3,34.8 69.4,34.9 69.68,34.9 IC900.8 ; C800A.2 47.05,19.65 47.05,19.65 43.8,22.9 v1(43.8,26.6) ; IC800A.10 47.48,19.22
  Top Layer w0.25: v1(49.8,27.7) 49.4,28.1 IC700.19 ; 56.54,26.5 56.56,26.52 56.56,26.86 v1(56.6,26.9) 56.6,27.65 C704.2 55.93,28.32 55.93,29.04 IC700.32 ; C706.2 58.9,38.97 58.48,38.55 IC700.48 ; v1(47.4,42.4) 48,41.8 48,41.53 48.4,41.13 IC700.64
  Top Layer w0.4: FB700.2 39.2,32.47 v1(39.2,33.27)
  Bottom Layer w0.203: IC800B.14 55.59,8.96 55.5,8.87 v1(55.5,8.8) ; R711.1 v1(50.15,32.7) 49.55,32.7 49.4,32.85 ; IC800B.16 53.11,10.29 53.11,9.19 53.53,8.77 55.47,8.77 v1(55.5,8.8) ; v1(55.5,8.8) 56.6,7.7 59.2,7.7 59.51,8.01 59.61,8.01 59.9,8.29 C804B.2 60.7,8.4 C800B.2 60.9,9.47 60.67,9.7 IC800B.10
  Bottom Layer w0.3: IC402.2 IC402.7 ; v1(99.33,58.32) 99.33,58.37 99.43,58.47 IC400.3
  Bottom Layer w0.4: 88.24,50.89 88.24,50.72 arc(88.18,50.44) v1(88.03,50.2) ; 88.24,50.89 C405.2 88.24,53.94 arc(88.22,54.03) 88.18,54.1 ; 88.24,50.89 arc(88.31,50.52) v1(88.53,50.2)
  Bottom Layer w0.6: IC701.1 89.79,46.12 87.83,46.12 C712.2 86.54,46.15 v1(86.49,46.1) ; v1(102.05,57.22) 102.02,57.25 IC400.6
  vias: v1(27.8,33.47) v1(59.3,39) v1(76.43,44.05)
3.3VUSB: length 11.6
  Bottom Layer w0.2: TP403.1 86.14,60.99 86.41,60.99 86.44,60.95 87.75,60.95 87.98,61.17
  Bottom Layer w0.3: IC402.6 90.05,54.6 C407.2 91.13,55.67 91.13,56.89 C414.2 89.04,58.98 89.04,60.36 C413.1 88.67,61.09 arc(88.65,61.13) 88.62,61.17 PS400.8_9
3V3_Reg: length 31.7
  Top Layer w0.203: 86.07,51.83 86.07,51.54 86.22,51.39 86.51,51.39 87.1,50.8 89.88,50.8 90.26,51.18 90.26,55.37 89.5,56.13 89.5,56.83 89.5,56.84 89.5,57.84 IC401.13 ; v1(90.9,63.3) 90.93,63.27 90.93,62.34 IC401.1 IC401.2
  Mid Layer 2 w0.203: TP402.1 86.69,61.78 86.69,56.52 v1(86.18,56)
  Bottom Layer w0.203: IC402.5 88.4,55.1 87.9,54.6 IC402.3 ; 86.1,62.55 86.66,63.11 90.66,63.11 90.85,63.3 v1(90.9,63.3)
  Bottom Layer w0.3: IC402.3 86.12,54.6 C406.2 86.07,55.86 86.18,55.96 v1(86.18,56) 86.19,56.01 86.19,57.56 R406.2
3V3_Sel: length 2.6
  Bottom Layer w0.203: R406.1 R407.2 87.65,56.22 87.34,55.91 IC402.4
3V3A_Stm: length 4.9
  Top Layer w0.203: C700.2 43.18,32.02 42.26,32.02 FB700.1
  Top Layer w0.25: IC700.13 45.47,32.55 45.47,32.54 45.34,32.54 44.7,31.9 44.55,31.9 43.45,31.9
5V: length 18.7
  Bottom Layer w0.3: C418.2 98.09,52.06 97.81,52.06 97.21,51.46 PS401.7
  Bottom Layer w0.4: 95.15,45.07 95.15,46.01 IC701.8 94.8,46.09 94.05,46.84 94.05,50.45 94.45,50.85 97.83,50.85 98.35,51.38 C418.2 98.47,52.33 99.55,53.41 99.55,54.02 TP407.1 ; C709.2 96.71,44.69 95.24,44.69 C710.2
  Bottom Layer w0.6: PS401.8_9 97.22,52.44 98.24,52.44 C418.2
5V_USB: length 45.7
  Top Layer w0.203: J10.B4_A9 94.48,61.17
  Top Layer w0.3: D401.4 96.34,58.96 96.63,59.25 TP400.1
  Top Layer w0.45: J10.B4_A9 94.4,61.25 v1(94.4,62.1) ; v1(99.2,62.1) 99.2,61.25 J10.A4_B9 ; IC403.1 90.04,44.01 90.23,44.19 v1(90.23,44.3)
  Mid Layer 2 w0.3: v1(90.23,44.3) 91.72,44.3 94.27,46.85 94.27,53.85 94.39,53.97 94.39,54.43 94.27,54.55 94.27,57.97 95.55,59.25 TP400.1
  Bottom Layer w0.203: v1(99.2,62.1) 99.2,62.03 99,61.83
  Bottom Layer w0.3: TP400.1 96.75,61.5 96.7,61.55
  Bottom Layer w0.45: PS400.4_5 PS400.6 87.24,65.69 87.24,66.69 C400.2 C401.1 88.35,66.2 88.35,65.45 88.6,65.2 88.6,65.17 88.85,64.92 90.1,64.92 90.13,64.9 91.3,64.9 92.48,63.72 C408.2 93.78,62.72 v1(94.4,62.1) 94.4,61.9 94.75,61.55 98.65,61.55 v1(99.2,62.1)
VBat_RTC: length 44.7
  Mid Layer 2 w0.4: v1(46.5,38.8) 46.15,38.45 41.49,38.45 40.58,37.54 40.58,35.63 39.94,35 34.2,35 32.4,36.8 9.1,36.8 v1(6.4,39.5)
VBatt_LTC: length 4.1
  Bottom Layer w0.203: 22.6,37.05 22.3,37.35 C304.2 22.4,38.7 IC300.1
(no net):
  vias: v1(1.34,64.49) v1(1.62,65.59) v1(1.62,63.41) v1(2.41,66.38) v1(2.41,62.62) v1(3.5,66.67) v1(3.51,62.32) v1(4.59,66.38) v1(4.59,62.62) v1(5.38,65.59) v1(5.38,63.41) v1(5.68,64.5) v1(104.34,64.49) v1(104.62,65.59) v1(104.62,63.41) v1(105.41,66.38) v1(105.41,62.62) v1(106.5,66.67) v1(106.51,62.32) v1(107.59,66.38) v1(107.59,62.62) v1(108.38,65.59) v1(108.38,63.41) v1(108.68,64.5)
A0_1: length 23.2
  Top Layer w0.203: IC700.40 58.48,34.55 58.62,34.7 58.71,34.7 58.83,34.82 58.83,35.48 59.05,35.7 v1(59.05,35.77)
  Mid Layer 2 w0.203: v1(72.5,45.6) 72.5,45.53 72.35,45.39 72.35,41.32 68.77,37.74 62.06,37.74 60.08,35.76 59.23,35.76 59.13,35.65
  Bottom Layer w0.3: v1(72.5,45.6) 73.23,45.6 IC500A.1
A0_2: length 17.8
  Top Layer w0.203: v1(68.6,45.6) 65.6,45.6 65.07,45.07 64.13,45.07 63.87,45.33 60.89,45.33 60.37,44.81 59.63,44.81 59.04,45.4 57.93,45.4 54.4,41.86 IC700.52
A0_3: length 13.9
  Top Layer w0.203: IC700.53 53.9,41.88 57.78,45.76 59.19,45.76 59.78,45.17 60.22,45.17 60.74,45.69 64.16,45.69 64.2,45.65 64.35,45.65 v1(64.4,45.6)
A0_4: length 9.9
  Top Layer w0.203: v1(60,45.7) 59.96,45.7 59.54,46.12 57.61,46.12 53.45,41.96 53.45,40.59 IC700.54
A0_5: length 7.3
  Top Layer w0.203: v1(55.7,45.7) 54.39,45.7 53.77,45.08 53.77,44.58 53.83,44.52 53.83,43.63 52.43,42.23 52.43,41.68 52.4,41.65 IC700.56
A0_6: length 5.1
  Top Layer w0.203: v1(51.5,45.6) 51.5,45.53 51.37,45.4 51.37,41.66 51.4,41.63 IC700.58
A0_7: length 7.6
  Top Layer w0.203: v1(47.2,45.7) 48.15,45.7 49.58,44.27 49.99,44.27 50.99,43.27 50.99,41.83 50.9,41.74 IC700.59
A0_8: length 15.9
  Top Layer w0.203: v1(42.8,45.6) 42.8,44.54 42.2,43.93 42.2,41.68 43.18,40.7 46.5,40.7 46.51,40.71 47.46,40.71 47.99,40.17 47.99,40.01 48.01,39.99 48.01,39.15 48.08,39.08 48.08,36.87 47.29,36.08 46.44,36.08 IC700.6
A1_1: length 18.5
  Top Layer w0.203: 59.31,35.01 59.31,34.61 58.78,34.08 57.91,34.08 IC700.39
  Mid Layer 2 w0.203: v1(72.9,40.2) 71.75,40.2 68.86,37.31 62.14,37.31 60,35.17 59.32,35.17
  Bottom Layer w0.3: IC500A.10 73.23,40.2 v1(72.9,40.2)
  vias: v1(59.4,35.2)
A1_2: length 21.1
  Top Layer w0.203: 58.92,41 57.72,41 55,38.28 55,35.5 55.76,34.74 56.91,34.74 57.17,35 57.84,35 IC700.41
  Mid Layer 2 w0.203: v1(58.85,41) 68,41 v1(68.6,40.4)
A1_3: length 16.6
  Top Layer w0.203: IC700.42 57.84,35.5 57.15,35.5 56.76,35.11 55.91,35.11 55.4,35.61 55.4,38.16 57.56,40.32 v1(58.88,40.32)
  Mid Layer 2 w0.203: 63.9,39.66 63.89,39.67 59.84,39.67 59.21,40.31 58.89,40.31 v1(58.88,40.32)
  Bottom Layer w0.203: IC500C.10 64.58,40.65 64.58,40.1 64.19,39.71 63.94,39.71 63.9,39.66
  vias: v1(63.78,39.66)
A1_4: length 9.9
  Top Layer w0.203: IC700.43 57.84,36 57.14,36 56.61,35.47 56.06,35.47 55.77,35.76 55.77,38.02 57.51,39.76 59.46,39.76 v1(60,40.3)
A1_5: length 3.1
  Top Layer w0.203: IC700.51 54.93,40.57 54.93,41.58 55.17,41.82 v1(55.17,41.89)
  Bottom Layer w0.203: v1(55.17,41.89) 55.22,41.84 55.44,41.84 56.03,41.25 IC500E.10
A1_6: length 2.6
  Top Layer w0.203: IC700.57 v1(51.9,41.9)
  Bottom Layer w0.3: IC500F.10 51.73,41.68 51.9,41.86 v1(51.9,41.9)
A1_7: length 3.7
  Top Layer w0.203: IC700.2 46.46,38.1 47.2,38.1 47.35,38.25 47.35,38.78 47.1,39.03 v1(47.1,39.8)
  Bottom Layer w0.203: v1(47.1,39.8) 47.1,39.82 47.43,40.15 IC500G.10
A1_8: length 9.4
  Top Layer w0.203: IC700.5 46.46,36.6 47.2,36.6 47.71,37.11 47.71,38.93 47.65,39 47.65,39.84 47.63,39.86 47.63,40.02 47.32,40.33 46.88,40.33 46.87,40.32 45.97,40.32 45.75,40.1 v1(42.9,40.1)
Bat_GND:
  vias: v1(1.34,3.49) v1(1.62,4.59) v1(1.62,2.41) v1(2.41,5.38) v1(2.41,1.62) v1(3.5,5.67) v1(3.51,1.32) v1(4.59,5.38) v1(4.59,1.62) v1(5.38,4.59) v1(5.38,2.41) v1(5.68,3.5) v1(15.23,14.3) v1(15.23,13.4) v1(15.23,12.82) v1(15.23,12.27) v1(15.23,11.7) v1(15.23,10.8) v1(15.48,14.75) v1(15.48,13.85) v1(15.48,11.25) v1(15.48,10.35) v1(15.73,15.2) v1(15.73,14.3) v1(15.73,10.8) v1(15.73,9.9) v1(15.98,14.75) v1(15.98,10.35) v1(16.23,15.2) v1(16.23,14.3) v1(16.23,10.8) v1(16.23,9.9) v1(16.48,14.75) v1(16.48,10.35) v1(16.73,15.2) v1(16.73,14.3) v1(16.73,10.8) v1(16.73,9.9) v1(16.98,14.75) v1(16.98,10.35) v1(17.23,15.2) v1(17.23,14.3) v1(17.23,10.8) v1(17.23,9.9) v1(17.48,14.75) v1(17.48,10.35) v1(17.73,15.2) v1(17.73,14.3) v1(17.73,10.8) v1(17.73,9.9) v1(17.98,14.75) v1(17.98,10.35) v1(18.23,15.2) v1(18.23,14.3) v1(18.23,10.8) v1(18.23,9.9) v1(18.48,14.75) v1(18.48,13.85) v1(18.48,11.25) v1(18.48,10.35) v1(18.73,14.3) v1(18.73,13.4) v1(18.73,12.82) v1(18.73,12.27) v1(18.73,11.7) v1(18.73,10.8) v1(91.28,21) v1(91.28,20.1) v1(91.28,19.52) v1(91.28,18.97) v1(91.28,18.4) v1(91.28,17.5) v1(91.53,21.45) v1(91.53,20.55) v1(91.53,17.95) v1(91.53,17.05) v1(91.78,21.9) v1(91.78,21) v1(91.78,17.5) v1(91.78,16.6) v1(92.03,21.45) v1(92.03,17.05) v1(92.28,32.9) v1(92.28,32) v1(92.28,31.42) v1(92.28,30.88) v1(92.28,30.3) v1(92.28,29.4) v1(92.28,21.9) v1(92.28,21) v1(92.28,17.5) v1(92.28,16.6) v1(92.53,33.35) v1(92.53,32.45) v1(92.53,29.85) v1(92.53,28.95) v1(92.53,21.45) v1(92.53,17.05) v1(92.78,33.8) v1(92.78,32.9) v1(92.78,29.4) v1(92.78,28.5) v1(92.78,21.9) v1(92.78,21) v1(92.78,17.5) v1(92.78,16.6) v1(93.03,33.35) v1(93.03,28.95) v1(93.03,21.45) v1(93.03,17.05) v1(93.28,33.8) v1(93.28,32.9) v1(93.28,29.4) v1(93.28,28.5) v1(93.28,21.9) v1(93.28,21) v1(93.28,17.5) v1(93.28,16.6) v1(93.53,33.35) v1(93.53,28.95) v1(93.53,21.45) v1(93.53,17.05) v1(93.78,33.8) v1(93.78,32.9) v1(93.78,29.4) v1(93.78,28.5) v1(93.78,21.9) v1(93.78,21) v1(93.78,17.5) v1(93.78,16.6) v1(94.03,33.35) v1(94.03,28.95) v1(94.03,21.45) v1(94.03,17.05) v1(94.28,33.8) v1(94.28,32.9) v1(94.28,29.4) v1(94.28,28.5) v1(94.28,21.9) v1(94.28,21) v1(94.28,17.5) v1(94.28,16.6) v1(94.53,33.35) v1(94.53,28.95) v1(94.53,21.45) v1(94.53,20.55) v1(94.53,17.95) v1(94.53,17.05) v1(94.78,33.8) v1(94.78,32.9) v1(94.78,29.4) v1(94.78,28.5) v1(94.78,21) v1(94.78,20.1) v1(94.78,19.52) v1(94.78,18.97) v1(94.78,18.4) v1(94.78,17.5) v1(95.03,33.35) v1(95.03,28.95) v1(95.28,33.8) v1(95.28,32.9) v1(95.28,29.4) v1(95.28,28.5) v1(95.53,33.35) v1(95.53,32.45) v1(95.53,29.85) v1(95.53,28.95) v1(95.78,32.9) v1(95.78,32) v1(95.78,31.42) v1(95.78,30.88) v1(95.78,30.3) v1(95.78,29.4) v1(104.34,3.49) v1(104.62,4.59) v1(104.62,2.41) v1(105.41,5.38) v1(105.41,1.62) v1(106.5,5.67) v1(106.51,1.32) v1(107.59,5.38) v1(107.59,1.62) v1(108.38,4.59) v1(108.38,2.41) v1(108.68,3.5) v2(2,20) v2(2,14) v2(2,8) v2(3.5,23) v2(3.5,17) v2(3.5,11) v2(5,20) v2(5,14) v2(5,8) v2(6.5,17) v2(6.5,11) v2(6.5,5) v2(8,20) v2(8,14) v2(8,8) v2(8,2) v2(9.5,17) v2(9.5,11) v2(9.5,5) v2(11,20) v2(11,14) v2(11,2) v2(12.5,17) v2(12.5,11) v2(12.5,5) v2(14,14) v2(14,8) v2(14,2) v2(15.5,5) v2(17,8) v2(17,2) v2(18.5,5) v2(20,14) v2(20,8) v2(20,2) v2(21.5,5) v2(23,2) v2(35,14) v2(36.5,11) v2(38,14) v2(39.5,11) v2(42.5,11) v2(45.5,11) v2(47,14) v2(48.5,11) v2(51.5,11) v2(54.5,17) v2(57.5,17) v2(60.5,17) v2(62,2) v2(65,2) v2(68,14) v2(72.5,23) v2(75.5,23) v2(92,26) v2(93.5,23) v2(95,26) v2(96.5,35) v2(96.5,29) v2(96.5,23) v2(96.5,17) v2(98,32) v2(98,26) v2(98,20) v2(99.5,35) v2(99.5,17) v2(101,38) v2(101,32) v2(101,26) v2(101,20) v2(102.5,41) v2(102.5,35) v2(102.5,29) v2(102.5,23) v2(102.5,17) v2(104,38) v2(104,32) v2(104,26) v2(104,20) v2(104,14) v2(104,8) v2(105.5,41) v2(105.5,35) v2(105.5,29) v2(105.5,23) v2(105.5,17) v2(105.5,11) v2(107,38) v2(107,32) v2(107,26) v2(107,20) v2(107,14) v2(107,8) v2(108.5,41) v2(108.5,35) v2(108.5,29) v2(108.5,23) v2(108.5,17) v2(108.5,11)
